# KiCad board System-Controller.kicad_pcb (continued)
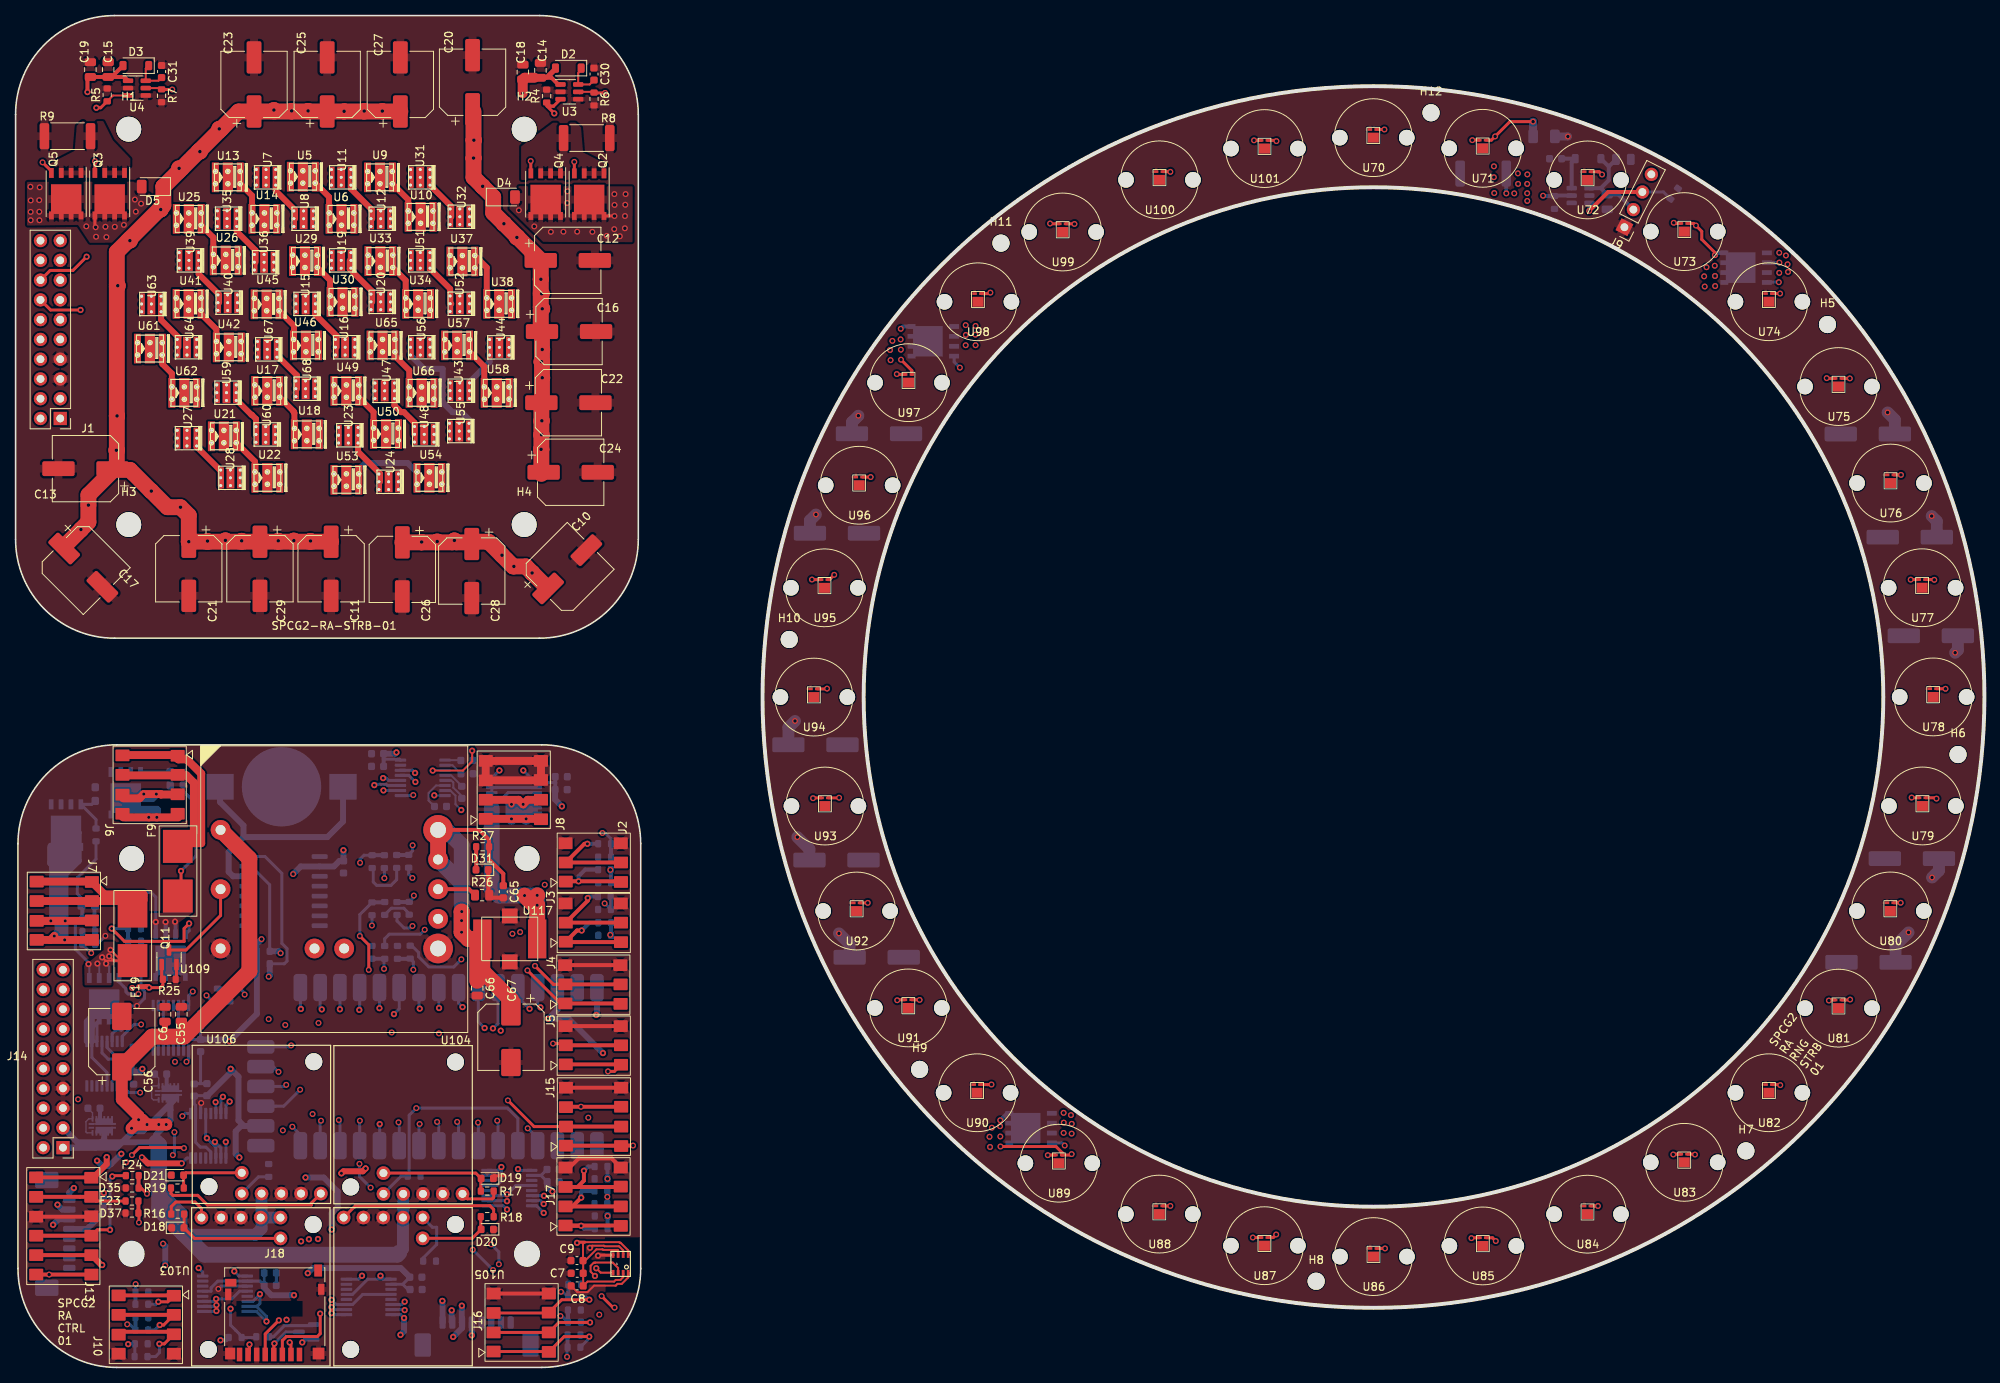
[diagram p0: board, top side]
## Library data of the parts
BT1 = -: Description: Single-cell battery; Link: https://www.digikey.com/en/products/detail/keystone-electronics/3000/227440; Part Number: 36-3000-ND; Supplier: Digikey
C1 C8 C52 C54 C57 C59 C61 C63 C68 = -: Link: https://www.digikey.com/en/products/detail/taiyo-yuden/UMK107AB7105KA-T/3660085; Part Number: 587-3247-1-ND; Supplier: Digikey
C2 C4 C5 C7 C9 C53 C58 C60 C62 C64 C69 = -: Link: https://www.digikey.com/en/products/detail/samsung-electro-mechanics/CL10B104KB8NNNL/3894274; Part Number: 1276-CL10B104KB8NNNLCT-ND; Supplier: Digikey
C3 C51 = -: Link: https://www.digikey.com/en/products/detail/cal-chip-electronics-inc/GMC10X7R105K50NT/13908847; Part Number: 2571-GMC10X7R105K50NTTR-ND; Supplier: Digikey
C6 C55 = -: Description: Unpolarized capacitor, small symbol; Link: https://www.digikey.com/en/products/detail/murata-electronics/GRM21BR61H106KE43L/10326316; Part Number: 490-18663-1-ND; Supplier: Digikey
C10-C13 C16 C17 C20-C29 C32 C33 C35 C37-C41 C43 C44 = -: Link: https://www.digikey.com/en/products/detail/panasonic-electronic-components/16SVPF560M/4204813; Part Number: P16481TR-ND; Supplier: Digikey
C14 C15 C34 = -: Link: https://www.digikey.com/en/products/detail/taiyo-yuden/EMK212BB7106MG-T/4157444; Part Number: 587-3319-1-ND; Supplier: Digikey
C18 C19 C36 = -: Link: https://www.digikey.com/product-detail/en/yageo/CC0805JKX7R9BB105/311-3498-1-ND/7164519; Part Number: 311-3498-1-ND; Supplier: Digikey
C30 C31 C42 = -: Link: https://www.digikey.com/product-detail/en/murata-electronics-north-america/GCJ188R71H224KA01D/490-14410-1-ND/6606871; Part Number: 490-14410-1-ND; Supplier: Digikey
C45-C50 = -: Link: http://www.digikey.com/product-detail/en/murata-electronics-north-america/GRM188R71H104KA93D/490-1519-1-ND/587854; Part Number: 490-14357-1-ND; Supplier: Digikey
C56 = -: Description: Polarized capacitor, US symbol; Link: https://www.digikey.com/en/products/detail/panasonic-electronic-components/EEE-FT1H221GP/6048908; Part Number: PCE5120CT-ND; Supplier: Digikey
C65 = -: Description: Unpolarized capacitor, small symbol; Link: https://www.digikey.com/product-detail/en/kemet/C0603C104M5RACTU/399-7845-1-ND/3471568; Part Number: C0603C104M5RACTU; Supplier: Digikey
C66 = -: Description: Unpolarized capacitor, small symbol; Link: https://www.digikey.com/en/products/detail/tdk-corporation/C2012X5R1E106K085AC/3951623; Part Number: 445-14387-1-ND; Supplier: Digikey
C67 = -: Description: Polarized capacitor, US symbol; Link: https://www.digikey.com/en/products/detail/nichicon/UWT1E331MNL1GS/589934; Part Number: 493-2193-1-ND; Supplier: Digikey
D1 D16 D17 D36 = -: Link: https://www.digikey.com/en/products/detail/comchip-technology/CZRU52C15/1121072?s=N4IgjCBcpgbFoDGUBmBDANgZwKYBoQB7KAbXFgA5ZYBOEAXQIAcAXKEAZRYCcBLAOwDmIAL4EaAJgAMCEMkjps%2BIqXABWAAQA1BszaQQAVX68WAeRQBZHGiwBXbjlEEAtBNnyed5cUhk1DCJiIO5%2BIABeOPw43BoAJryEcThYgUA; Part Number: 641-1040-1-ND; Supplier: Digikey
D2 D3 D6 = -: Link: https://www.digikey.com/product-detail/en/diodes-incorporated/BAV3004W-7-F/BAV3004W-FDICT-ND/815365; Part Number: BAV3004W-FDICT-ND; Supplier: Digikey
D4 D5 D7 = -: Link: https://www.digikey.com/en/products/detail/kyocera-avx/SD1206S040S2R0/3749537; Part Number: 478-7806-1-ND; Supplier: Digikey
D8-D11 D22-D30 D32-D35 D37 = -: Link: https://www.digikey.com/en/products/detail/littelfuse-inc/SP1103C-01UTG/7402656; Part Number: F10154CT-ND; Supplier: Digikey
D12-D15 = -: Link: https://www.digikey.com/en/products/detail/comchip-technology/CPDUR12V-HF/3308691; Part Number: 641-2082-1-ND; Supplier: Digikey
D18 = -: Link: https://www.digikey.com/en/products/detail/kingbright/APHD1608LCGCK/7043063; Part Number: 754-2031-1-ND; Supplier: Digikey
D19 = -: Link: https://www.digikey.com/en/products/detail/bivar-inc/SM0603HCL/3095516?s=N4IgjCBcpgbFoDGUBmBDANgZwKYBoQB7KAbRAGYBOAJgBZ4BdAgBwBcoQBlVgJwEsAdgHMQAXwLkA7AhDJI6bPiKkKlAKzUwlEExBsO3fsLEE1tcjLkLcBYpDJwAHNQAMjFu0hdegkeJCUsNrQsqiYNsr2INSwLm7auvpehr4mIAC01JZQvACuSnZkajqi-llRADIAogAiJUA; Part Number: 492-2524-1-ND; Supplier: Digikey
D20 = -: Link: https://www.digikey.com/en/products/detail/kingbright/APTD1608LSYCK-J3-PF/5177448; Part Number: 754-1947-1-ND; Supplier: Digikey
D21 = -: Link: https://www.digikey.com/en/products/detail/venkel/CTL0603FPU1T-CT/21528259?s=N4IgjCBcpgbFoDGUBmBDANgZwKYBoQB7KAbRAGYBOAJgBZ4BdAgBwBcoQBlVgJwEsAdgHMQAXwLkA7AhDJI6bPiKkKlAAwAOcrRBMQbDt37CxBALTUZc3gFclxSGQCsu0eJCXHIADIBRACKuQA; Part Number: 2679-CTL0603FPU1T-CT-ND; Supplier: Digikey
D31 = -: Description: Light emitting diode, small symbol; Link: https://www.digikey.com/en/products/detail/rohm-semiconductor/SML-D12W8WT86A/9448199; Part Number: SML-D12W8WT86ACT-ND; Supplier: Digikey
F1-F8 F10-F18 F20-F24 = -: Link: https://www.digikey.com/en/products/detail/bel-fuse-inc/0ZCM0001FF2G/10270528; Part Number: 507-0ZCM0001FF2GCT-ND; Supplier: Digikey
F9 F19 = -: Link: https://www.digikey.com/products/en/circuit-protection/fuseholders/140?k=little%20fuse%20nano; Part Number: F1889-ND; Supplier: Digikey
H1-H16 = -: Description: Mounting Hole without connection
J1 J14 = -: Description: Generic connector, double row, 02x10, odd/even pin numbering scheme (row 1 odd numbers, row 2 even numbers), script generated (kicad-library-utils/schlib/autogen/connector/)
J2-J5 = -: Description: Generic connector, single row, 01x03, script generated (kicad-library-utils/schlib/autogen/connector/); Link: https://www.digikey.com/en/products/detail/kyocera-avx/009276003021906/11308047; Part Number: 478-009276003021906CT-ND; Supplier: Digikey
J6-J8 = -: Description: Generic connector, double row, 02x02, odd/even pin numbering scheme (row 1 odd numbers, row 2 even numbers), script generated (kicad-library-utils/schlib/autogen/connector/); Link: https://www.digikey.com/en/products/detail/kyocera-avx/009276004021006/11308014?s=N4IgjCBcoMwOxVAYygMwIYBsDOBTANCAPZQDaIMYAnFQExUgC6hADgC5QgDKbATgJYA7AOYgAvoQAcDaCBSQMOAsTIgqAFloAGEISpxaANiasOkbnyGiJISVtqI5aLHkIlI5GAFZDYTSZB2Th4BEXFCMC04L0d5RVcVDxBtSkMEZkCzC1DrCPVJBFk4l2V3cnUtLUMvB0IKqq8Yusrq42aGyQCg8xCrcOSwRtjnJTdVQwACAEFdcC1p2e0FjO6QAFVBfjYAeVQAWVx0bABXXlx%2BgFoHIqg%2BY9LVGMYbC4gbhRKxpPU4Tueba7kNi4XgAWyEWCYYiAA; Part Number: 478-009276004021006CT-ND; Supplier: Digikey
J9 = -: Description: Generic connector, single row, 01x04, script generated (kicad-library-utils/schlib/autogen/connector/)
J10 J15-J17 = -: Description: Generic connector, single row, 01x04, script generated (kicad-library-utils/schlib/autogen/connector/); Link: https://www.digikey.com/en/products/detail/kyocera-avx/009276004021906/11307846; Part Number: 478-009276004021906CT-ND; Supplier: Digikey
J11 J12 = -: Description: Generic connector, single row, 01x08, script generated (kicad-library-utils/schlib/autogen/connector/); Link: https://www.digikey.com/en/products/detail/molex/0532610871/699100; Part Number: WM7626CT-ND; Supplier: Digikey
J13 = -: Description: Generic connector, double row, 02x03, odd/even pin numbering scheme (row 1 odd numbers, row 2 even numbers), script generated (kicad-library-utils/schlib/autogen/connector/); Link: https://www.digikey.com/en/products/detail/kyocera-avx/009276006021906/11307880; Part Number: 478-009276006021906CT-ND; Supplier: Digikey
J18 = -: Description: Micro SD Card Socket with card detection pins; Link: https://www.digikey.com/en/products/detail/hirose-electric-co-ltd/DM3D-SF/1786510; Part Number: HR1941CT-ND; Supplier: Digikey
Q1-Q9 = -: Link: https://www.digikey.com/en/products/detail/vishay-siliconix/SIR638ADP-T1-RE3/7616342; Part Number: SIR638ADP-T1-RE3CT-ND; Supplier: Digikey
Q10 Q12 = -: Link: https://www.digikey.com/en/products/detail/vishay-siliconix/SI7155DP-T1-GE3/8572024?s=N4IgjCBcpgbFoDGUBmBDANgZwKYBoQB7KAbRAGYAOATgFZYB2EAXQIAcAXKEAZQ4CcAlgDsA5iAC%2BBWAAZ40EMkjps%2BIqQqVaYGeRbsukXgJHipIWGABMCRaky4CxSGTANYVhrRAE3scjIyPuAMDOQALN6%2BDNRg5HoEVnJg4RCJOmDU4cFW4ZRaUSBW5JkMQYnatF45tCVxNakylMF51DLhCUWw1IxMiVlVfUXUZW05IwxwwbD0ucGUYVTzubLB1MXh1GvFsPAEI7rZ%2B2X0wTrknoXn8c2%2B1uGpZ-e0NqwgnNx8QmKSiXLNCiUKkc6hcIHCMgABAA1fTvQwgACqwkEHAA8igALI4NBYACu-BwvxAAFobICoAI8WpnGRvMwJIygA; Part Number: SI7155DP-T1-GE3CT-ND; Supplier: Digikey
Q11 = -: Description: 0.115A Id, 60V Vds, N-Channel MOSFET, SOT-23
Q14 = -: Description: P-MOSFET transistor, gate/source/drain; Link: https://www.digikey.com/en/products/detail/diodes-incorporated/BSS84-7-F/717724; Part Number: BSS84-FDICT-ND; Supplier: Digikey
R1 R4-R7 R10 R11 R13 = -: Link: https://www.digikey.com/en/products/detail/yageo/AC0603FR-0710KL/2827814; Part Number: 311-10KLDCT-ND; Supplier: Digikey
R2 R14 R29 = -: Link: https://www.digikey.com/en/products/detail/stackpole-electronics-inc/RMCF0603FT100R/1761113; Part Number: RMCF0603FT100RCT-ND; Supplier: Digikey
R3 R15 = -: Link: https://www.digikey.com/product-detail/en/yageo/RT0603BRD07499KL/YAG4565CT-ND/6616721; Part Number: YAG4565CT-ND; Supplier: Digikey
R8 R9 R12 = -: Link: https://www.digikey.com/en/products/detail/vishay-dale/WSLF25121L000JEA/9755175; Part Number: 541-WSLF25121L000JEACT-ND; Supplier: Digikey
R16-R24 R28 = -: Description: Resistor, small US symbol; Link: https://www.digikey.com/en/products/detail/te-connectivity-passive-product/CRG0603F10K/2055639?s=N4IgTCBcDaIIIEYAMA2JAWAHAYQCoFoA5AERAF0BfIA; Part Number: A106048CT-ND; Supplier: Digikey
R25 R27 = -: Link: https://www.digikey.com/product-detail/en/vishay-beyschlag/MCT06030C1002FP500/MCT0603-10.0K-CFCT-ND/2607933; Part Number: MCT0603-10.0K-CFCT-ND; Supplier: Digikey
R26 = -: Description: Resistor, small US symbol; Link: https://www.digikey.com/en/products/detail/panasonic-electronic-components/ERJ-PB6B3301V/6213434; Part Number: P20651CT-ND; Supplier: Digikey
U1 U107 U112-U116 = -: Description: Current/power/voltage monitor with Integrated 2mΩ Shunt Resistor, 2.7V - 5.5V, I2C, TSSOP-16; Link: https://www.digikey.com/en/products/detail/texas-instruments/INA260AIPW/6589219; Part Number: 296-45218-5-ND; Supplier: Digikey
U2 = -: Description: SENSOR PRESSURE HUMIDITY TEMP; Category: Sensors, Transducers; DK_Datasheet_Link: https://ae-bst.resource.bosch.com/media/_tech/media/datasheets/BST-BME280-DS002.pdf; DK_Detail_Page: /product-detail/en/bosch-sensortec/BME280/828-1063-1-ND/6136314; Digi-Key_PN: 828-1063-1-ND; Family: Humidity, Moisture Sensors; Link: /product-detail/en/bosch-sensortec/BME280/828-1063-1-ND/6136314; Manufacturer: Bosch Sensortec; Part Number: 828-1063-1-ND; Status: Active; Supplier: Digikey
U3 U4 U69 = -: Description: High-side, N-Channel, Mosfet driver, 80V input, -40°C to +85°C, SOT23-6
U5 U6 U9 U10 U13 U14 U17 U18 U21 U22 U25 U26 U29 U30 U33 U34 U37 U38 U41 U42 U45 U46 U49 U50 U53 U54 U57 U58 U61 U62 U65 U66 = -: Link: https://www.mouser.com/ProductDetail/Cree-LED/XPLAWT-00-0000-000UU30E7?qs=sGAEpiMZZMuCm2JlHBGefhlKgvu0rJfJOxyHimDJJGjYQDiAKG%252BqqA%3D%3D; Part Number: 941-XPLAWT0000UU30E7; Supplier: Mouser
U7 U8 U11 U12 U15 U16 U19 U20 U23 U24 U27 U28 U31 U32 U35 U36 U39 U40 U43 U44 U47 U48 U51 U52 U55 U56 U59 U60 U63 U64 U67 U68 = -: Link: https://www.mouser.com/ProductDetail/Luminus-Devices/SST-10-IRD-B90H-S810?qs=DPoM0jnrROWQ6USSKCTjjA%3D%3D; Part Number: 896-SST10IRDB90HS81; Supplier: Mouser
U102 = -: Link: https://www.digikey.com/en/products/detail/texas-instruments/MAX3232EIPWRQ1/1868538?s=N4IgjCBcpgbFoDGUBmBDANgZwKYBoQB7KAbXAAYAOWATgFYQBdAgBwBcoQBlNgJwEsAdgHMQAXwK0EIZJHTZ8RUiAAs5GgGZNTVh0jc%2BQ0RJAAmOqemz5uAsUhlTYU7DAB2HSHaceAkeIIVFUorVExbJQdwOlhKSktmLz0DP2MCAFpLaBkoPgBXRXsyBkTvfQCQdJVQuXDC5S0wcnhS5PETLLIAWQBBAA0NU0GAUSYxIA; Part Number: 296-23467-1-ND; Supplier: Digikey
U104-U106 = -: Link: https://www.digikey.com/en/products/detail/pololu-corporation/3784/10451211?s=N4IgjCBcpgrATLKoDGUBmBDANgZwKYA0IA9lANojwDsADNbEgLrEAOALlCAMrsBOASwB2AcxABfYgFp4yEGkj8ArkVIUQzcZKrqAIgGYAbADV4ADhBNxQA; Part Number: 2183-3784-ND; Supplier: Digikey
U108 = -: Link: https://lowpowerlab.com/guide/moteino/moteinom0/; Supplier: low power lab
U109 = -: Link: https://www.digikey.com/en/products/detail/tdk-lambda-americas-inc/I7C4W012A050V-0C3-R/15649003?s=N4IgTCBcDaIJYHYDCAWA6gBgIxgIIYFYMA1AWgyQGZSAlEAXQF8g; Part Number: 285-I7C4W012A050V-0C3-R-ND; Supplier: Digikey
U110 = -: Description: Extremely Accurate I2C-Integrated RTC/TCXO/Crystal SOIC-16; Link: https://www.digikey.com/en/products/detail/maxim-integrated/DS3231SN/1197576; Part Number: DS3231SN#-ND; Supplier: Digikey
U111 U125 = -: Link: https://www.digikey.com/en/products/detail/analog-devices-inc/LTC4451AV-TRPBF/15848891; Part Number: 505-LTC4451AV#TRPBFCT-ND; Supplier: Digikey
U117 = -: Link: https://www.digikey.com/en/products/detail/knowles-syfer/SBSMP0500474MXT/7316065; Part Number: 1608-1438-1-ND; Supplier: Digikey

## Footprints (pads in the part's own frame, mm; a bottom-side part is the same pattern mirrored in y, then rotated)
01550900M
  rect 4.24x3.81 smd: 1(-3.19,0) 2(3.19,0)
009276003021906
  rrect 1.5x1.8 smd: 1(-2.47,-0.03) 1(-2.42,7.07) 2(0.03,7.07) 2(0.03,-0.03) 3(2.5,7.1) 3(2.5,0)
009276004021006
  rrect 1.5x1.8 smd: 1(-3.75,0) 1(-3.7,7.1) 2(-1.25,7.1) 2(-1.25,0) 3(1.25,7.1) 3(1.3,0) 4(3.75,7.1) 4(3.75,0)
009276006021906
  rrect 1.5x1.8 smd: 1(-6.24,-0.01) 1(-6.19,7.09) 2(-3.74,7.09) 2(-3.74,-0.01) 3(-1.24,7.09) 3(-1.19,-0.01) 4(1.25,7.1) 4(1.25,0) 5(3.75,7.1) 5(3.75,0) 6(6.25,7.1) 6(6.25,0)
BatteryHolder_Keystone_3000_1x12mm
  rect 3.5x3.3 smd: 1(-7.9,0) 1(7.9,0)
  round 10.2 smd: 2(0,0)
BME280
  rect 0.7x0.35 smd: 1(1.125,0.975) 2(1.125,0.325) 3(1.125,-0.325) 4(1.125,-0.975) 5(-1.125,-0.975) 6(-1.125,-0.325) 7(-1.125,0.325) 8(-1.125,0.975)
C_0603_1608Metric
  rrect 0.9x0.95 smd: 1(-0.775,0) 2(0.775,0)
C_0805_2012Metric
  rrect 1x1.45 smd: 1(-0.95,0) 2(0.95,0)
CP_Elec_8x10
  rrect 3.5x2.5 smd: 1(-3.25,0) 2(3.25,0)
CP_Elec_8x11.9
  rrect 4.15x1.9 smd: 1(-3.475,0) 2(3.475,0)
Cree_XE_G
  round 2 hole 2.1 unplated: (-4.3,0) (4.3,0)
  rect 0.555x0.33 smd: 1(0.425,1.05) 2(-0.425,1.05)
  rect 1.41x1.27 smd: 3(0,0)
Cree_XP-L_HI-vias-4
  rect 0.9x3.81 smd: 1(-1.6,0) 2(1.6,0)
  round 0.737 hole 0.381: 1(-1.587,0.826) 1(-1.587,-0.762) 2(1.587,0.826) 2(1.587,-0.762) 3(0,0.826) 3(0,-0.762)
  rect 1.3x3.81 smd: 3(0,0)
D36V28F5
  round 2.184 hole 2.184 unplated: (-6.966,-6.861) (6.496,9.192)
  round 1.75 hole 1.02: 1(7.4,-7.75) 2(4.86,-7.75) 3(2.32,-7.75) 4(-0.22,-7.75) 5(-2.76,-7.75) 6(-2.76,-5.08)
D_0603_1608Metric_Pad1.05x0.95mm_HandSolder
  rrect 1.05x0.95 smd: 1(-0.875,0) 2(0.875,0)
D_1206_3216Metric
  rrect 1.25x1.75 smd: 1(-1.4,0) 2(1.4,0)
D_SOD-123
  rrect 0.9x1.2 smd: 1(-1.65,0) 2(1.65,0)
LED_0603_1608Metric
  rrect 0.875x0.95 smd: 1(-0.787,0) 2(0.787,0)
LTC4451
  rect 0.7x0.25 smd: 1(-0.9,1.25) 2(-0.9,0.75) 3(-0.9,0.25) 4(-0.9,-0.25) 5(-0.9,-0.75) 6(-0.9,-1.25) 9(0.9,-1.25) 10(0.9,-0.75) 11(0.9,-0.25) 12(0.9,0.25) 13(0.9,0.75) 14(0.9,1.25)
  rect 0.845x2.255 smd: 2(-0.547,-0.253) 13(0.55,-0.25)
  rect 0.25x0.7 smd: 7(-0.25,-1.4) 8(0.25,-1.4) 15(0.25,1.4) 16(-0.25,1.4)
microSD_HC_Hirose_DM3D-SF
  rect 0.7x1.75 smd: 1(3.175,-5.35) 2(2.075,-5.35) 3(0.975,-5.35) 4(-0.125,-5.35) 5(-1.225,-5.35) 6(-2.325,-5.35) 7(-3.425,-5.35) 8(-4.525,-5.35)
  rect 1.45x1 smd: 9(-5.65,3.875)
  rect 1x1.55 smd: 10(5.575,5.45)
  rect 0.8x1.5 smd: 11(-5.975,2.375)
  rect 1.3x1.5 smd: 11(-5.725,-5.225)
  rect 1.5x1.5 smd: 11(5.625,-5.225)
  rect 0.8x1.4 smd: 11(5.975,3.025)
Molex_PicoBlade_53261-0871_1x08-1MP_P1.25mm_Horizontal
  rrect 0.8x1.6 smd: 1(-4.375,2.4) 2(-3.125,2.4) 3(-1.875,2.4) 4(-0.625,2.4) 5(0.625,2.4) 6(1.875,2.4) 7(3.125,2.4) 8(4.375,2.4)
  rrect 2.1x3 smd: MP(-6.925,-0.5) MP(6.925,-0.5)
MoteinoM0_SMD
  rrect 3.5x1.75 smd: 1(-10.16,19.05) 2(-10.16,16.51) 3(-10.16,13.97) 4(-10.16,11.43) 5(-10.16,8.89) 6(-10.16,6.35) 7(-10.16,3.81) 8(-10.16,1.27) 9(-10.16,-1.27) 10(-10.16,-3.81) 11(-10.16,-6.35) 12(-10.16,-8.89) 13(-10.16,-11.43) 14(-10.16,-13.97) 15(-10.16,-16.51) 16(-10.16,-19.05) 17(10.16,-19.05) 18(10.16,-16.51) 19(10.16,-13.97) 20(10.16,-11.43) 21(10.16,-8.89) 22(10.16,-6.35) 23(10.16,-3.81) 24(10.16,-1.27) 25(10.16,1.27) 26(10.16,3.81) 27(10.16,6.35) 28(10.16,8.89) 29(10.16,11.43) 30(10.16,13.97) 31(10.16,16.51) 32(10.16,19.05)
  rrect 1.75x3.5 smd: 33(-10.16,-24.13) 34(-7.62,-24.13) 35(-5.08,-24.13) 36(-2.54,-24.13) 37(0,-24.13) 38(2.54,-24.13)
MountingHole_2.2mm_M2_ISO7380
  round 2.2 hole 2.2 unplated: (0,0)
MountingHole_3.2mm_M3
  round 3.2 hole 3.2 unplated: (0,0)
MountingHole_3.2mm_M3_ISO14580
  round 3.2 hole 3.2 unplated: (0,0)
PinHeader_1x04_P2.54mm_Vertical
  rect 1.7x1.7 hole 1: 1(0,0)
  oval 1.7x1.7 hole 1: 2(0,-2.54) 3(0,-5.08) 4(0,-7.62)
PinHeader_2x10_P2.54mm_Vertical
  rect 1.7x1.7 hole 1: 1(0,0)
  oval 1.7x1.7 hole 1: 2(2.54,0) 3(0,-2.54) 4(2.54,-2.54) 5(0,-5.08) 6(2.54,-5.08) 7(0,-7.62) 8(2.54,-7.62) 9(0,-10.16) 10(2.54,-10.16) 11(0,-12.7) 12(2.54,-12.7) 13(0,-15.24) 14(2.54,-15.24) 15(0,-17.78) 16(2.54,-17.78) 17(0,-20.32) 18(2.54,-20.32) 19(0,-22.86) 20(2.54,-22.86)
PowerPAK_SO-8_Single
  rect 1.27x0.61 smd: 1(-2.67,1.905) 2(-2.67,0.635) 3(-2.67,-0.635) 4(-2.67,-1.905)
  rect 3.81x3.91 smd: 5(0.69,0)
  rect 1.02x0.61 smd: 5(2.795,1.905) 5(2.795,0.635) 5(2.795,-0.635) 5(2.795,-1.905)
R_0603_1608Metric
  rrect 0.8x0.95 smd: 1(-0.825,0) 2(0.825,0)
R_0805_2012Metric
  rrect 1.025x1.4 smd: 1(-0.912,0) 2(0.912,0)
R_2512_6332Metric
  rrect 1.225x3.35 smd: 1(-2.962,0) 2(2.962,0)
SBSMP
  rect 2.35x5 smd: 1(-3.525,0) 4(3.525,0)
  rect 2x1.925 smd: 2(0,2.95) 3(0,-2.95)
SOIC-16W_7.5x10.3mm_P1.27mm
  rrect 2.05x0.6 smd: 1(-4.65,4.445) 2(-4.65,3.175) 3(-4.65,1.905) 4(-4.65,0.635) 5(-4.65,-0.635) 6(-4.65,-1.905) 7(-4.65,-3.175) 8(-4.65,-4.445) 9(4.65,-4.445) 10(4.65,-3.175) 11(4.65,-1.905) 12(4.65,-0.635) 13(4.65,0.635) 14(4.65,1.905) 15(4.65,3.175) 16(4.65,4.445)
SOT-23
  rrect 1.475x0.6 smd: 1(-0.938,0.95) 2(-0.938,-0.95) 3(0.938,0)
SOT-23-6
  rrect 1.325x0.6 smd: 1(-1.137,0.95) 2(-1.137,0) 3(-1.137,-0.95) 4(1.137,-0.95) 5(1.137,0) 6(1.137,0.95)
SST-10-IR
  round 0.66 hole 0.381: 1(-1,-1.25) 1(0,-1.25) 1(1,-1.25) 2(-1,1.25) 2(0,1.25) 2(1,1.25) 3(-1,0) 3(0,0) 3(1,0)
  rect 2.7x0.5 smd: 1(0,-1.1) 2(0,1.1)
  rect 2.7x1 smd: 3(0,0)
TDK-I7C4W
  round 2.54 hole 1.27: 1(-13.97,7.62) 2(-13.97,0) 3(-13.97,-7.62) 5(13.97,-3.81) 6(13.97,0) 7(13.97,3.81) 32(-1.905,-7.62) 34(1.905,-7.62)
  round 3.81 hole 2.032: 4(13.97,-7.62) 8(13.97,7.62)
TSSOP-16_4.4x5mm_P0.65mm
  rrect 1.475x0.4 smd: 1(-2.862,2.275) 2(-2.862,1.625) 3(-2.862,0.975) 4(-2.862,0.325) 5(-2.862,-0.325) 6(-2.862,-0.975) 7(-2.862,-1.625) 8(-2.862,-2.275) 9(2.862,-2.275) 10(2.862,-1.625) 11(2.862,-0.975) 12(2.862,-0.325) 13(2.862,0.325) 14(2.862,0.975) 15(2.862,1.625) 16(2.862,2.275)

## Nets
/DarkfieldColorAndIRIllumination/5V: C14.1 C15.1 C18.1 C19.1 D2.2 D3.2 J1.15 U3.1 U4.1
/DarkfieldColorAndIRIllumination/PGND: C10.2 C11.2 C12.2 C13.2 C14.2 C15.2 C16.2 C17.2 C18.2 C19.2 C20.2 C21.2 C22.2 C23.2 C24.2 C25.2 C26.2 C27.2 C28.2 C29.2 C30.1 C31.1 J1.5 J1.7 R4.2 R5.2 R6.2 R7.2 R8.2 R9.2 U3.2 U3.4 U4.2 U4.4
/LEDController/3.3V_LDO: C1.1 C2.1 C7.1 C8.1 C9.1 C47.1 C48.1 C52.1 C53.1 C54.2 C57.1 C58.1 C59.1 C60.1 C61.1 C62.1 C63.1 C64.1 C68.1 C69.1 J14.17 Q14.2 R23.2 R24.2 R28.2 U1.4 U1.5 U1.10 U2.2 U2.6 U2.8 U102.16 U107.10 U108.30 U108.34 U110.2 U112.5 U112.10 U113.10 U114.10 U115.4 U115.10 U116.10
/LEDController/5V_reg: J11.5 J12.5 J13.1 J14.15 U108.32 U112.14 U112.15 U112.16
/LEDController/12V_ENABLE: D32.1 F22.2 J14.8 Q11.1 R25.1 U108.12
/LEDController/GND: BT1.2 C1.2 C2.2 C4.1 C5.1 C6.2 C7.2 C8.2 C9.2 C47.2 C48.2 C49.2 C50.1 C52.2 C53.2 C54.1 C55.2 C56.2 C57.2 C58.2 C59.2 C60.2 C61.2 C62.2 C63.2 C64.2 C65.2 C66.2 C67.2 C68.2 C69.2 D1.2 D8.2 D9.2 D10.2 D11.2 D12.2 D13.2 D14.2 D15.2 D16.2 D18.1 D19.1 D20.1 D21.1 D22.2 D23.2 D24.2 D25.2 D26.2 D27.2 D28.2 D29.2 D30.2 D31.1 D32.2 D33.2 D34.2 D35.2 D37.2 J2.3 J3.3 J4.3 J5.3 J8.3 J8.4 J10.4 J11.1 J11.2 J11.3 J11.4 J12.1 J12.2 J12.3 J12.4 J13.3 J14.5 J14.7 J15.4 J16.4 J17.4 J18.6 J18.11 Q1.1 Q1.2 Q1.3 Q9.1 Q9.2 Q9.3 Q11.2 R3.2 R15.2 R20.1 R21.1 R22.1 R25.2 R26.2 U1.6 U1.11 U2.1 U2.5 U2.7 U102.15 U103.2 U103.3 U104.2 U104.3 U105.2 U105.3 U106.2 U106.3 U107.4 U107.5 U107.6 U107.11 U108.2 U108.31 U108.33 U109.3 U109.4 U110.5 U110.6 U110.7 U110.8 U110.9 U110.10 U110.11 U110.12 U110.13 U111.1 U111.14 U112.4 U112.6 U112.11 U113.4 U113.6 U113.11 U114.4 U114.6 U114.11 U115.5 U115.6 U115.11 U116.4 U116.5 U116.6 U116.11 U117.2 U117.3 U125.1 U125.14
/LEDController/Vin: C6.1 C55.1 C56.1 J14.1 J14.3 U103.4 U103.5 U104.4 U105.4 U106.4 U109.1 U111.8 U111.9 U111.10 U111.11 U111.12 U111.13 U125.8 U125.9 U125.10 U125.11 U125.12 U125.13
/VioletRingIllumination/5V: C34.1 C36.1 D6.2 J9.2 U69.1
/VioletRingIllumination/PGND: C32.2 C33.2 C34.2 C35.2 C36.2 C37.2 C38.2 C39.2 C40.2 C41.2 C42.1 C43.2 C44.2 J9.4 R10.2 R11.2 R12.2 U69.2 U69.4
/DarkfieldColorAndIRIllumination/TRIG_COLOR: J1.14 R4.1 U3.3
/DarkfieldColorAndIRIllumination/TRIG_IR: J1.16 R5.1 U4.3
/DarkfieldColorAndIRIllumination/VAnodeColor: C10.1 C12.1 C16.1 C20.1 C22.1 C24.1 C26.1 C28.1 D4.1 J1.9 U5.2 U9.2 U13.2 U17.2 U21.2 U25.2 U29.2 U33.2 U37.2 U41.2 U45.2 U49.2 U53.2 U57.2 U61.2 U65.2
/DarkfieldColorAndIRIllumination/VAnodeIR: C11.1 C13.1 C17.1 C21.1 C23.1 C25.1 C27.1 C29.1 D5.1 J1.11 U7.2 U11.2 U15.2 U19.2 U23.2 U27.2 U31.2 U35.2 U39.2 U43.2 U47.2 U51.2 U55.2 U59.2 U63.2 U67.2
/LEDController/A3: D29.1 F13.2 U108.11
/LEDController/A4: D27.1 F14.2 U108.10
/LEDController/A5: D25.1 F15.2 U108.9
/LEDController/DDS3231/INT_32KHZ: U110.1
/LEDController/DDS3231/INT_SQW: U110.3
/LEDController/GPIO_0: D24.1 F10.2 J14.19 U108.37
/LEDController/GPIO_1: D23.1 F11.2 J14.20 U108.36
/LEDController/GPIO_2: D22.1 F12.2 U108.35
/LEDController/GPIO_3: D30.1 F16.2 U108.20
/LEDController/GPIO_4: D28.1 F17.2 U108.38
/LEDController/GPIO_5: D26.1 F18.2 R28.1 R29.2 U108.21
/LEDController/GPIO_6: D34.1 F20.2 J18.2 U108.14
/LEDController/LED1_EN: J14.2 R20.2 U104.5 U108.5
/LEDController/LED2_EN: J14.4 R21.2 U105.5 U108.16
/LEDController/LED3_EN: J14.6 R22.2 U106.5 U108.13
/LEDController/PowerInput/INA260/ALERT: U107.7
/LEDController/PowerInput/INA260/IN+: Q10.5 U107.1 U107.2 U107.3 U107.12
/LEDController/PowerInput/INA260/IN-: C4.2 U107.14 U107.15 U107.16 U111.2 U111.3 U111.4 U111.5 U111.6 U111.7 U111.16
/LEDController/PowerInput/INA261/ALERT: U112.7
/LEDController/PowerInput/INA261/IN+: R16.2 U103.1 U112.1 U112.2 U112.3 U112.12
/LEDController/PowerInput/INA262/ALERT: U113.7
/LEDController/PowerInput/INA262/IN+: R17.2 U104.1 U113.1 U113.2 U113.3 U113.12
/LEDController/PowerInput/INA263/ALERT: U114.7
/LEDController/PowerInput/INA263/IN+: R18.2 U105.1 U114.1 U114.2 U114.3 U114.12
/LEDController/PowerInput/INA264/ALERT: U115.7
/LEDController/PowerInput/INA264/IN+: R19.2 U106.1 U115.1 U115.2 U115.3 U115.12
/LEDController/PowerInput/INA269/ALERT: U1.7
/LEDController/PowerInput/INA269/IN+: Q12.5 U1.1 U1.2 U1.3 U1.12
/LEDController/PowerInput/INA269/IN-: C5.2 U1.14 U1.15 U1.16 U125.2 U125.3 U125.4 U125.5 U125.6 U125.7 U125.16
/LEDController/PowerInput/TDK-i7C1/INA260/ALERT: U116.7
/LEDController/PowerInput/TDK-i7C1/INA260/IN+: U116.1 U116.2 U116.3 U116.12 U117.4
/LEDController/PowerInput/TDK-i7C1/Vout: J8.1 J8.2 U116.14 U116.15 U116.16
/LEDController/SCL: J14.10 R24.1 U1.9 U2.4 U107.9 U108.29 U110.16 U112.9 U113.9 U114.5 U114.9 U115.9 U116.9
/LEDController/SDA: J14.12 R23.1 U1.8 U2.3 U107.8 U108.28 U110.15 U112.8 U113.5 U113.8 U114.8 U115.8 U116.8
/LEDController/Serial0_RX: U102.12 U108.8
/LEDController/Serial0_TX: U102.11 U108.7
/LEDController/Serial1_RX: U102.9 U108.24
/LEDController/Serial1_TX: U102.10 U108.23
/LEDController/Serial2_RX: D8.1 F2.2 U108.19
/LEDController/Serial2_TX: D10.1 F1.2 U108.22
/LEDController/Serial3_RX: D9.1 F4.2 U108.4
/LEDController/Serial3_TX: D11.1 F3.2 U108.6
/LEDController/SPI_MISO: J18.7 U108.27
/LEDController/SPI_MOSI: J18.3 U108.25
/LEDController/SPI_SCK: J18.5 U108.26
/LEDController/TRIG1: D35.1 F24.1 J14.14 U108.17
/LEDController/TRIG2: J14.16 U108.18
/LEDController/TRIG3: D33.1 D37.1 F21.2 F23.1 J14.18 U108.15
/LEDController/VLED1: J11.6 J12.6 J13.5 J14.9 U113.14 U113.15 U113.16
/LEDController/VLED2: J11.7 J12.7 J14.11 U114.14 U114.15 U114.16
/LEDController/VLED3: J11.8 J12.8 J13.6 J14.13 U115.14 U115.15 U115.16
/VioletRingIllumination/TRIG_IN: J9.3 R10.1 U69.3
/VioletRingIllumination/VAnode: C32.1 C33.1 C35.1 C37.1 C38.1 C39.1 C40.1 C41.1 C43.1 C44.1 D7.1 J9.1 U70.2 U72.2 U74.2 U76.2 U78.2 U80.2 U82.2 U84.2 U86.2 U88.2 U90.2 U92.2 U94.2 U96.2 U98.2 U100.2
Net-(BT1-+): BT1.1 U110.14
Net-(D1-K): D1.1 Q1.4 R1.2
Net-(D2-K): C30.2 D2.1 U3.6
Net-(D3-K): C31.2 D3.1 U4.6
Net-(D4-A): D4.2 Q2.5 Q4.5 U6.1 U10.1 U14.1 U18.1 U22.1 U26.1 U30.1 U34.1 U38.1 U42.1 U46.1 U50.1 U54.1 U58.1 U62.1 U66.1
Net-(D5-A): D5.2 Q3.5 Q5.5 U8.1 U12.1 U16.1 U20.1 U24.1 U28.1 U32.1 U36.1 U40.1 U44.1 U48.1 U52.1 U56.1 U60.1 U64.1 U68.1
Net-(D6-K): C42.2 D6.1 U69.6
Net-(D7-A): D7.2 Q6.5 Q7.5 Q8.5 U71.1 U73.1 U75.1 U77.1 U79.1 U81.1 U83.1 U85.1 U87.1 U89.1 U91.1 U93.1 U95.1 U97.1 U99.1 U101.1
Net-(D12-A1): D12.1 F5.2 U102.14
Net-(D13-A1): D13.1 F7.2 U102.7
Net-(D14-A1): D14.1 F6.2 U102.13
Net-(D15-A1): D15.1 F8.2 U102.8
Net-(D16-K): D16.1 Q9.4 R13.2
Net-(D17-A): C51.2 D17.2 R14.2
Net-(D17-K): C51.1 D17.1 F9.2 Q10.1 Q10.2 Q10.3 R13.1
Net-(D18-A): D18.2 R16.1 U103.6
Net-(D19-A): D19.2 R17.1 U104.6
Net-(D20-A): D20.2 R18.1 U105.6
Net-(D21-A): D21.2 R19.1 U106.6
Net-(D31-A): D31.2 R27.2
Net-(D36-A): C3.2 D36.2 R2.2
Net-(D36-K): C3.1 D36.1 F19.2 Q12.1 Q12.2 Q12.3 R1.1
Net-(J2-Pin_1): F5.1 J2.1
Net-(J2-Pin_2): F6.1 J2.2
Net-(J3-Pin_1): F7.1 J3.1
Net-(J3-Pin_2): F8.1 J3.2
Net-(J4-Pin_1): F1.1 J4.1
Net-(J4-Pin_2): F2.1 J4.2
Net-(J5-Pin_1): F3.1 J5.1
Net-(J5-Pin_2): F4.1 J5.2
Net-(J6-Pin_1): F9.1 J6.1 J6.2
Net-(J6-Pin_3): J6.3 J6.4 Q9.5
Net-(J7-Pin_1): F19.1 J7.1 J7.2
Net-(J7-Pin_3): J7.3 J7.4 Q1.5
Net-(J10-Pin_1): F20.1 J10.1
Net-(J10-Pin_2): F21.1 J10.2
Net-(J10-Pin_3): F22.1 J10.3
Net-(J13-Pin_2): F23.2 J13.2
Net-(J13-Pin_4): F24.2 J13.4
Net-(J15-Pin_1): F10.1 J15.1
Net-(J15-Pin_2): F11.1 J15.2
Net-(J15-Pin_3): F12.1 J15.3
Net-(J16-Pin_1): F13.1 J16.1
Net-(J16-Pin_2): F14.1 J16.2
Net-(J16-Pin_3): F15.1 J16.3
Net-(J17-Pin_1): F16.1 J17.1
Net-(J17-Pin_2): F17.1 J17.2
Net-(J17-Pin_3): F18.1 J17.3
Net-(J18-VDD): J18.4 Q14.3
Net-(Q2-G): Q2.4 Q4.4 R6.1 U3.5
Net-(Q2-S-Pad1): Q2.1 Q2.2 Q2.3 Q4.1 Q4.2 Q4.3 R8.1
Net-(Q3-G): Q3.4 Q5.4 R7.1 U4.5
Net-(Q3-S-Pad1): Q3.1 Q3.2 Q3.3 Q5.1 Q5.2 Q5.3 R9.1
Net-(Q6-G): Q6.4 Q7.4 Q8.4 R11.1 U69.5
Net-(Q6-S-Pad1): Q6.1 Q6.2 Q6.3 Q7.1 Q7.2 Q7.3 Q8.1 Q8.2 Q8.3 R12.1
Net-(Q10-G): Q10.4 R14.1 R15.1
Net-(Q11-D): Q11.3 U109.2
Net-(Q12-G): Q12.4 R2.1 R3.1
Net-(Q14-G): Q14.1 R29.1
Net-(U5-K): U5.1 U6.2
Net-(U7-K): U7.1 U8.2
Net-(U10-A): U9.1 U10.2
Net-(U11-K): U11.1 U12.2
Net-(U13-K): U13.1 U14.2
Net-(U15-K): U15.1 U16.2
Net-(U17-K): U17.1 U18.2
Net-(U19-K): U19.1 U20.2
Net-(U21-K): U21.1 U22.2
Net-(U23-K): U23.1 U24.2
Net-(U25-K): U25.1 U26.2
Net-(U27-K): U27.1 U28.2
Net-(U29-K): U29.1 U30.2
Net-(U31-K): U31.1 U32.2
Net-(U33-K): U33.1 U34.2
Net-(U35-K): U35.1 U36.2
Net-(U37-K): U37.1 U38.2
Net-(U39-K): U39.1 U40.2
Net-(U41-K): U41.1 U42.2
Net-(U43-K): U43.1 U44.2
Net-(U45-K): U45.1 U46.2
Net-(U47-K): U47.1 U48.2
Net-(U49-K): U49.1 U50.2
Net-(U51-K): U51.1 U52.2
Net-(U53-K): U53.1 U54.2
Net-(U55-K): U55.1 U56.2
Net-(U57-K): U57.1 U58.2
Net-(U59-K): U59.1 U60.2
Net-(U61-K): U61.1 U62.2
Net-(U63-K): U63.1 U64.2
Net-(U65-K): U65.1 U66.2
Net-(U67-K): U67.1 U68.2
Net-(U70-K): U70.1 U71.2
Net-(U72-K): U72.1 U73.2
Net-(U74-K): U74.1 U75.2
Net-(U76-K): U76.1 U77.2
Net-(U78-K): U78.1 U79.2
Net-(U80-K): U80.1 U81.2
Net-(U82-K): U82.1 U83.2
Net-(U84-K): U84.1 U85.2
Net-(U86-K): U86.1 U87.2
Net-(U88-K): U88.1 U89.2
Net-(U90-K): U90.1 U91.2
Net-(U92-K): U92.1 U93.2
Net-(U94-K): U94.1 U95.2
Net-(U96-K): U96.1 U97.2
Net-(U98-K): U98.1 U99.2
Net-(U100-K): U100.1 U101.2
Net-(U102-C1+): C45.2 U102.1
Net-(U102-C1-): C45.1 U102.3
Net-(U102-C2+): C46.2 U102.4
Net-(U102-C2-): C46.1 U102.5
Net-(U102-V+): C49.1 U102.2
Net-(U102-V-): C50.2 U102.6
Net-(U109-SENSE(+)): C65.1 C66.1 C67.1 R27.1 U109.7 U109.8 U117.1
Net-(U109-TRIM): R26.1 U109.6

Pads without a net: J1 1 2 3 4 6 8 10 12 13 17 18 19 20; J11 MP; J12 MP; J18 1 8 9 10; U1 13; U5 3; U6 3; U7 3; U8 3; U9 3; U10 3; U11 3; U12 3; U13 3; U14 3; U15 3; U16 3; U17 3; U18 3; U19 3; U20 3; U21 3; U22 3; U23 3; U24 3; U25 3; U26 3; U27 3; U28 3; U29 3; U30 3; U31 3; U32 3; U33 3; U34 3; U35 3; U36 3; U37 3; U38 3; U39 3; U40 3; U41 3; U42 3; U43 3; U44 3; U45 3; U46 3; U47 3; U48 3; U49 3; U50 3; U51 3; U52 3; U53 3; U54 3; U55 3; U56 3; U57 3; U58 3; U59 3; U60 3; U61 3; U62 3; U63 3; U64 3; U65 3; U66 3; U67 3; U68 3; U70 3; U71 3; U72 3; U73 3; U74 3; U75 3; U76 3; U77 3; U78 3; U79 3; U80 3; U81 3; U82 3; U83 3; U84 3; U85 3; U86 3; U87 3; U88 3; U89 3; U90 3; U91 3; U92 3; U93 3; U94 3; U95 3; U96 3; U97 3; U98 3; U99 3; U100 3; U101 3; U107 13; U108 1 3; U109 5 32 34; U110 4; U111 15; U112 13; U113 13; U114 13; U115 13; U116 13; U125 15

## Via types
v1: diameter 0.8, hole 0.4, Top to Bottom, 162 vias
v2: diameter 0.762, hole 0.457, Top to Bottom, 301 vias

## Routing (per net, layer and track width the routed paths; a pad name or vN(x,y) marks a point on that pad's centre or on a via; arc(x,y) is an arc through that point)
/DarkfieldColorAndIRIllumination/5V: length 117.6
  Top w0.254: U3.1 69.72,164.85 68.83,165.74 ; 69.61,166.95 69.61,166.82 68.5,165.71 66.67,165.71
  Top w0.508: D2.2 68.12,165.71 66.67,165.71 68.81,165.71 68.83,165.74 ; U4.1 13.97,165.81 C15.1 ; D3.2 12.35,165.81 C15.1 ; 68.68,165.89 69.72,164.85 U3.1 ; C15.1 C19.1 9.24,165.44 v1(9.24,163.87)
  Top w1.27: v1(65.15,163.72) 65.15,165.47 C18.1 65.39,165.71 66.67,165.71
  In2.Cu w1.27: 20.03,160.18 20.96,160.18 26.07,165.29 62.36,165.29 63.93,163.72 v1(65.15,163.72) ; 20.03,160.18 20.03,158.67 17.43,156.07 17.43,143.48 17.47,143.44 15.34,141.31 10.18,141.31 8.58,139.71 J1.15 ; 20.03,160.18 15.05,165.16 11.26,165.16 9.97,163.87 v1(9.24,163.87)
/LEDController/3.3V_LDO: length 376.5
  Top w0.25: 77.61,16.02 77.53,16.1 73.11,16.1 72.9,15.88 C9.1 ; C9.1 73.17,13.72 74.62,15.17 75.42,15.17 75.49,15.1 77.33,15.1 ; C9.1 72.92,13.7 C7.1 C8.1 73.48,11.03 76.89,11.03 77.1,11.24
  Top w0.254: 77.61,16.02 77.72,16.02 78.71,15.03 U2.8 ; 77.1,11.24 77.7,11.24 78.06,11.6 U2.2 ; U2.6 77.41,15.03 77.33,15.1
  Top w0.381: v1(72.13,16.01) 72.22,16.1 73.11,16.1
  In1.Cu w0.762: v1(72.13,16.01) 70.64,17.5 70.64,20.74 68.97,22.41 v1(68.97,22.6) 68.14,23.43 68.14,33.07 v1(75.46,40.39) ; v1(70.19,72.09) 70.19,47.09 68.42,45.32 v1(68.42,44.8) 51.36,44.8 49.04,47.12 49.04,66.72 ; J14.17 v1(16.29,38.36) 16.33,38.32 27.59,38.32 v1(27.64,38.36) 27.48,38.52 v1(27.48,41.9) ; v1(48.93,79.02) 49.04,78.91 49.04,66.72 ; v1(37.25,24.4) 34.67,26.98 v1(28.75,26.98) ; v1(42.12,66.46) 42.38,66.72 49.04,66.72 ; v1(40.6,17.72) 40.28,17.4 40.28,14.49 37.9,12.11 v1(37.54,12.11) 37.54,11.05 v1(35.77,9.28)
  In2.Cu w0.762: v2(35.66,63.39) 35.66,62.62 31.6,58.56 v2(31.6,55.03)
  In4.Cu w0.508: v1(36.83,3.22) 35.77,4.28 v1(35.77,9.28) 33.37,9.28 27.58,3.49 v1(26.33,3.49)
  Bottom w0.381: U1.5 11.75,41.11 13.25,39.61 13.33,39.61 ; 13.33,39.61 11.9,39.61 11.1,40.4 U1.4 ; 13.33,39.61 C2.1 15.12,37.99 C1.1 13.41,37.95 13.33,38.03 13.05,37.75 U1.10 ; 31,51.81 30.78,51.81 ; 49.74,10.68 50.41,10.01 C61.1 ; 49.74,10.68 U114.10 ; 49.74,10.68 C62.1 ; 69.33,75.15 69.33,75.15 U116.10 ; U102.16 49.32,78.15 47.28,78.15 ; U110.2 39.39,64.38 ; C53.1 C52.1 22.15,42.13 21.58,41.56 U107.10 ; C63.1 22.99,34.92 C64.1 22.95,33.85 23.13,33.67 U115.10 23.13,28.92 23.74,28.31 24.45,28.31 25.08,27.69 U115.4 ; C60.1 67.49,24.67 U113.10 67.5,24.67 C59.1 ; C57.1 C58.1 31.4,11.09 U112.10 25.99,11.09 25.11,10.22 25.11,9.79 U112.5
  Bottom w0.508: C47.1 C48.1 ; v1(26.33,3.49) 27.03,3.49 27.38,3.84 ; C68.1 69.33,74.26 C69.1 ; Q14.2 37.22,3.61 v1(36.83,3.22)
  Bottom w0.762: C48.1 48.76,78.86 v1(48.93,79.02) ; 29.35,31.03 28.98,31.03 28.28,30.33 28.28,27.45 v1(28.75,26.98) ; 29.35,31.03 28.64,31.74 28.64,37.36 v1(27.64,38.36) 27.64,37.91 24.64,34.92 C63.1 ; 29.35,31.03 U108.34 ; C1.1 15.87,37.95 v1(16.29,38.36) ; v1(42.12,66.46) 42.13,66.45 C54.2 41.61,65.08 40.9,64.38 U110.2 36.64,64.38 v2(35.66,63.39) ; v2(31.6,55.03) 30.94,54.37 30.94,53.53 R23.2 31,53.47 R24.2 31,45.42 v1(27.48,41.9) 27.25,42.13 C52.1 ; U108.30 69.61,45.99 v1(68.42,44.8) 71.05,44.8 v1(75.46,40.39) ; v1(37.54,12.11) 38.19,12.76 49.49,12.76 C62.1 ; v1(40.6,17.72) 40.6,19.79 41.39,20.57 41.39,22.59 39.58,24.4 v1(37.25,24.4) ; C60.1 68.29,23.28 v1(68.97,22.6) ; v1(35.77,9.28) 32.86,9.28 31.94,10.2 C58.1 ; C69.1 69.31,72.97 v1(70.19,72.09)
